# KiCad board Leonhart.kicad_pcb (continued)
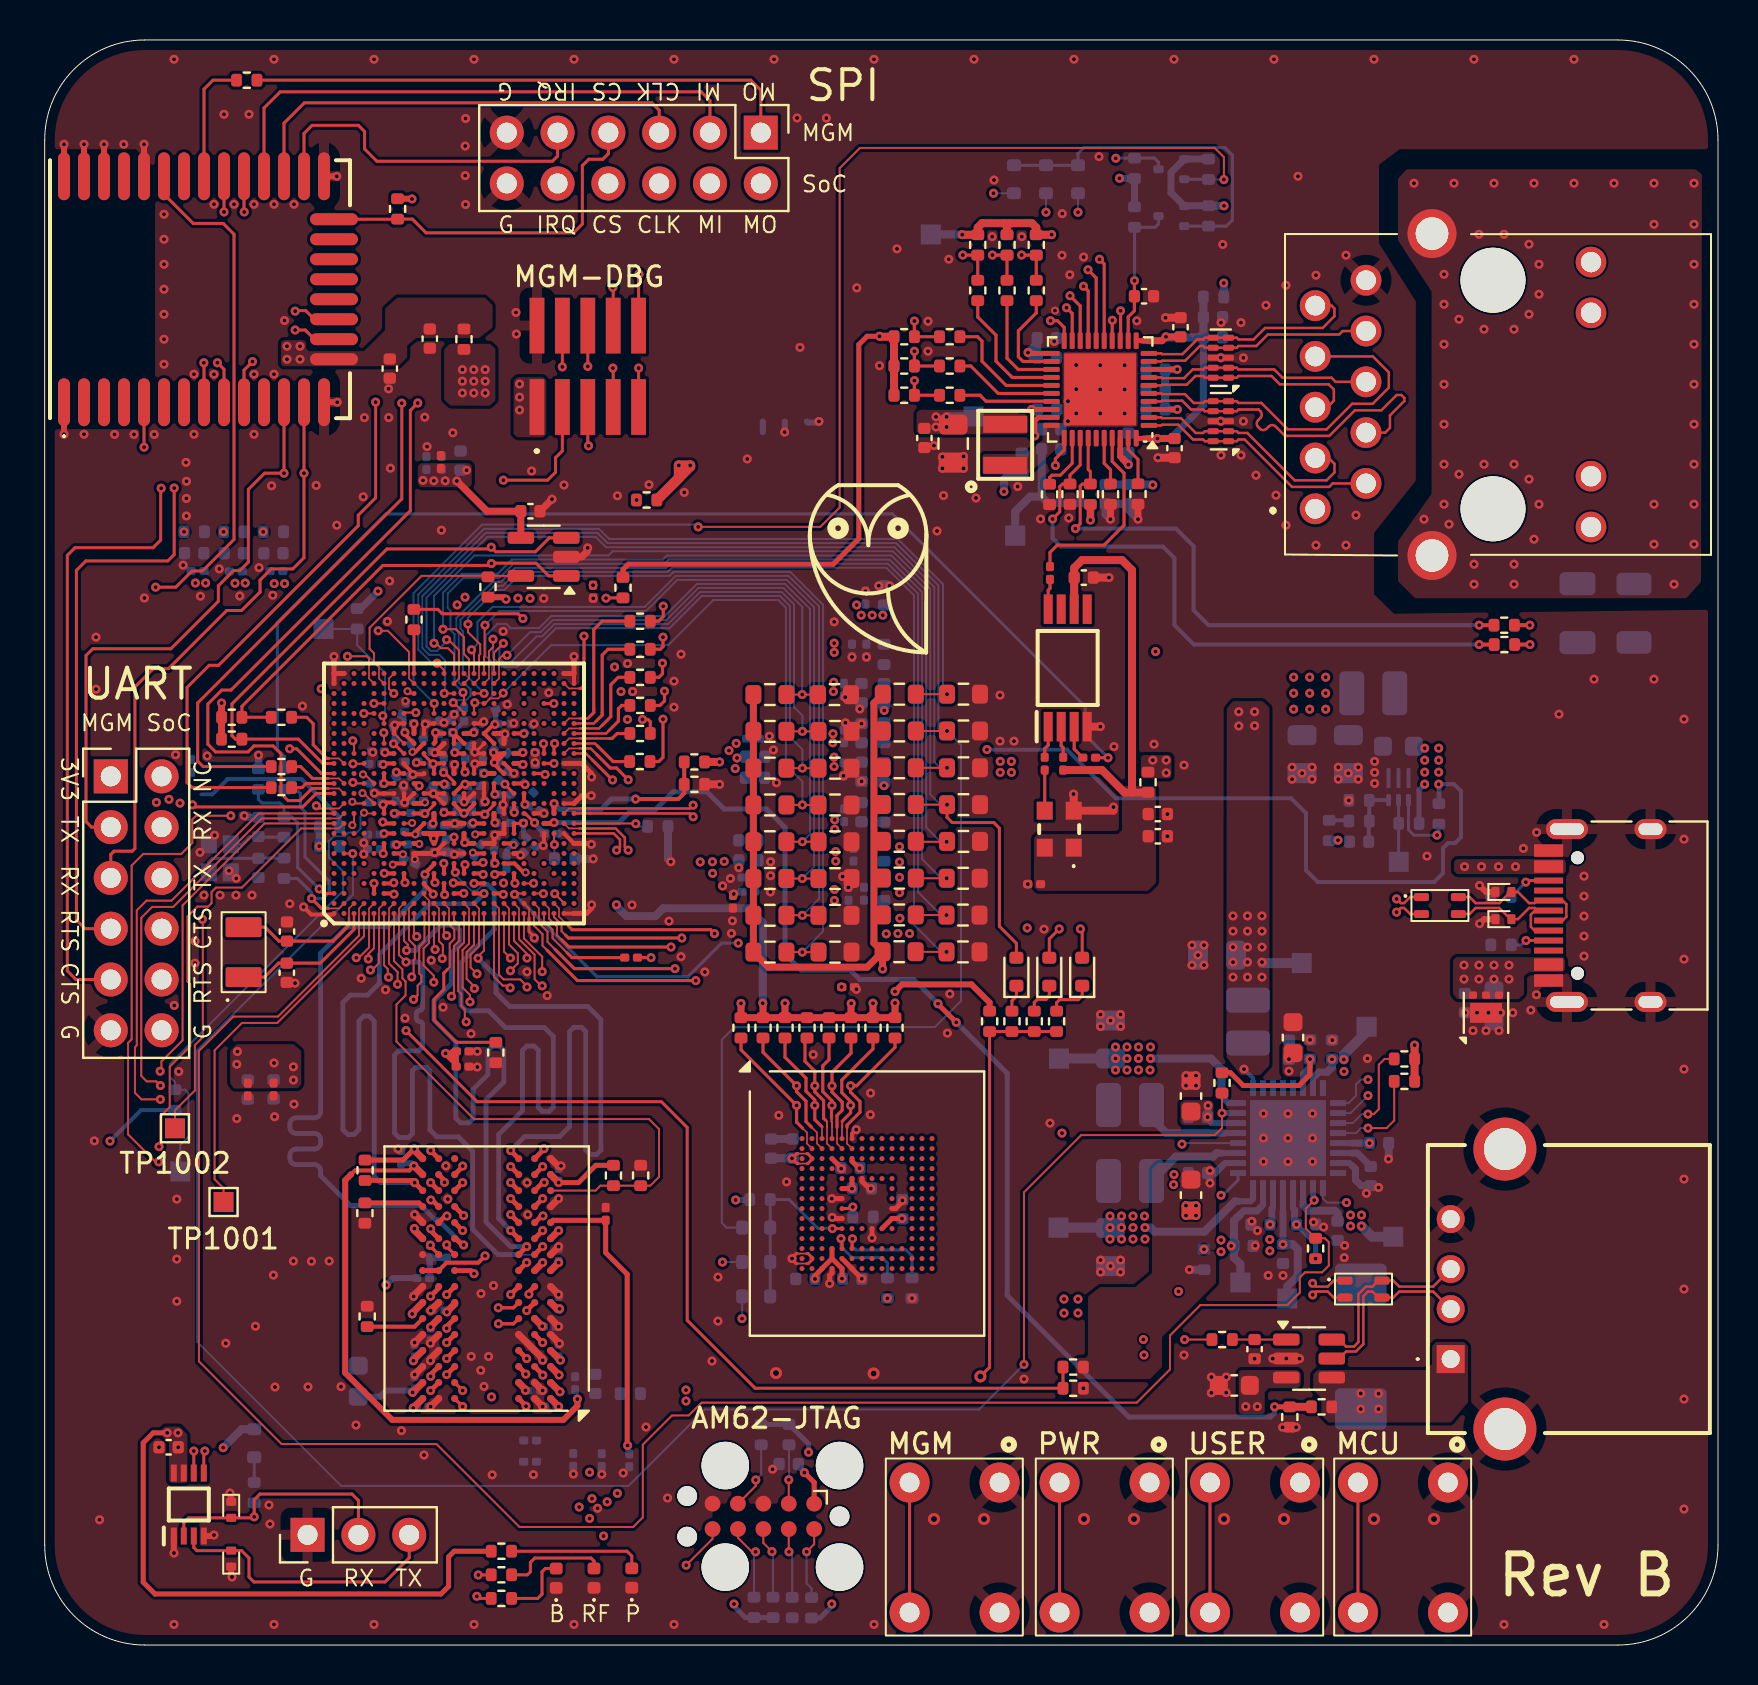
[diagram p0: board, top side]
## Routing (per net, layer and track width the routed paths; a pad name or vN(x,y) marks a point on that pad's centre or on a via; arc(x,y) is an arc through that point) (continued)
/Memory [4]/DDR_CLK_R: length 1.9
  Bottom w0.3: R4001.1 R4002.1 19.25,18.37 C4004.2
/Memory [4]/DDR_CLKN: length 33.9
  Top w0.081: 19.71,36.39 19.71,36.84 U1002.L2
  Top w0.1: 19.71,36.39 19.71,35.2 19.9,35.01 19.9,34.36 v1(19.87,34.33)
  Top w0.167: U4001.K8 19.28,19.94 v1(19.28,19.99)
  In5.Cu w0.129: v1(19.87,34.33) 20.08,34.53 20.31,34.53 20.44,34.4 20.44,33.5 18.73,31.79 18.73,30.22 18.55,30.05 16.01,30.05 15.66,29.7 15.66,29.24 arc(15.81,28.87) 16.18,28.72 16.8,28.72 arc(17,28.64) 17.08,28.44 17.08,28.24 arc(17,28.05) 16.8,27.96 16.18,27.96 arc(15.81,27.81) 15.66,27.44 15.66,27.24 arc(15.81,26.87) 16.18,26.72 16.8,26.72 arc(17,26.64) 17.08,26.44 17.08,26.24 arc(17,26.05) 16.8,25.96 16.18,25.96 arc(15.81,25.81) 15.66,25.44 15.66,25.24 arc(15.81,24.87) 16.18,24.72 16.75,24.72 arc(16.95,24.64) 17.03,24.44 17.03,24.24 arc(16.95,24.05) 16.75,23.96 16.18,23.96 arc(15.81,23.81) 15.66,23.44 15.66,23.24 arc(15.81,22.87) 16.18,22.72 16.8,22.72 arc(17,22.64) 17.08,22.44 17.08,22.24 arc(17,22.05) 16.8,21.96 16.18,21.96 arc(15.81,21.81) 15.66,21.44 15.66,20.73 16.26,20.12 18.03,20.12 18.11,20.04 18.54,20.04 18.62,20.12 19.1,20.12 19.23,19.99 v1(19.28,19.99)
/Memory [4]/DDR_CLKP: length 33.9
  Top w0.1: U1002.L1 19.46,34.83 v1(19.52,34.78)
  Top w0.167: v1(20.1,20.01) 20.1,19.92 U4001.K7
  In5.Cu w0.129: v1(19.52,34.78) 20.41,34.78 20.69,34.51 20.69,33.39 18.98,31.68 18.98,30.12 18.66,29.8 16.11,29.8 15.91,29.6 15.91,29.24 arc(15.99,29.05) 16.18,28.96 16.8,28.96 arc(17.17,28.81) 17.33,28.44 17.33,28.24 arc(17.17,27.87) 16.8,27.72 16.18,27.72 arc(15.99,27.64) 15.91,27.44 15.91,27.24 arc(15.99,27.05) 16.18,26.96 16.8,26.96 arc(17.17,26.81) 17.33,26.44 17.33,26.24 arc(17.17,25.87) 16.8,25.72 16.18,25.72 arc(15.99,25.64) 15.91,25.44 15.91,25.24 arc(15.99,25.05) 16.18,24.96 16.75,24.96 arc(17.12,24.81) 17.28,24.44 17.28,24.24 arc(17.12,23.87) 16.75,23.72 16.18,23.72 arc(15.99,23.64) 15.91,23.44 15.91,23.24 arc(15.99,23.05) 16.18,22.96 16.8,22.96 arc(17.17,22.81) 17.33,22.44 17.33,22.24 arc(17.17,21.87) 16.8,21.72 16.18,21.72 arc(15.99,21.64) 15.91,21.44 15.91,20.83 16.34,20.4 19.63,20.4 20.01,20.01 v1(20.1,20.01)
/Memory [4]/DDR_CSn: length 33.4
  Top w0.2: U1002.L6 19.46,39.05 19.33,38.91 19.33,38.91 19.14,38.72 19.14,38.72 18.99,38.58 18.99,38.56 v1(19.01,38.54)
  Top w0.24: v1(20.94,20.01) 20.86,20.01 20.54,20.33 U4001.L7
  Bottom w0.24: v1(20.94,20.01) 20.92,20.01 19.66,21.27 19.52,21.27 18.81,21.97 15.29,21.97 13.8,23.47 13.8,23.71 arc(13.71,23.93) 13.48,24.03 12.57,24.03 arc(12.35,24.12) 12.26,24.34 12.26,24.49 arc(12.35,24.71) 12.57,24.81 13.48,24.81 arc(13.71,24.9) 13.8,25.12 13.8,25.27 arc(13.71,25.49) 13.48,25.59 12.57,25.59 arc(12.35,25.68) 12.26,25.9 12.26,26.05 arc(12.35,26.27) 12.57,26.37 13.48,26.37 arc(13.71,26.46) 13.8,26.68 13.8,34.6 15.11,35.91 17.16,35.91 19.01,37.76 v1(19.01,38.54)
/Memory [4]/DDR_DQ0: length 47
  Top w0.2: v1(17.45,38.12) 17.42,38.09 U1002.F4
  Top w0.24: U4001.G2 v1(24.1,16.73)
  In5.Cu w0.152: v1(17.45,38.12) 16.85,37.51 16.85,36.7 16.09,35.95 14.09,35.95 13.38,35.23 11.19,35.23 9.71,33.76 9.71,32.74 9.19,32.22 9.19,19.39 12.12,16.46 16.88,16.46 18.29,17.88 19.46,17.88 19.69,17.65 19.69,17.36 19.99,17.06 20.39,17.06 20.52,16.94 20.52,16.63 21.49,15.66 22.86,15.66 23.12,15.93 23.12,17.12 22.84,17.41 22.84,17.73 23.14,18.02 23.5,18.02 23.8,17.72 23.8,17.02 v1(24.1,16.73)
/Memory [4]/DDR_DQ1: length 47
  Top w0.2: U1002.H6 17.46,39.09 v2(17.41,39.03)
  Top w0.24: U4001.F7 20.12,15.95 20.12,15.86 v1(20.1,15.84)
  In5.Cu w0.152: v1(20.1,15.84) 19.75,15.49 18.91,15.49 18.84,15.56 18.23,15.56 16.63,13.97 11.8,13.97 9.94,15.82 arc(9.9,15.93) 9.94,16.05 10.07,16.17 arc(10.12,16.29) 10.07,16.4 10.02,16.46 arc(9.9,16.5) 9.79,16.46 9.66,16.33 arc(9.55,16.28) 9.43,16.33 9.38,16.38 arc(9.33,16.5) 9.38,16.61 9.51,16.74 arc(9.55,16.85) 9.51,16.97 9.45,17.02 arc(9.34,17.07) 9.22,17.02 9.09,16.89 arc(8.98,16.85) 8.87,16.89 8.81,16.95 arc(8.76,17.06) 8.81,17.18 8.94,17.31 arc(8.99,17.42) 8.94,17.53 8.88,17.59 arc(8.77,17.64) 8.66,17.59 8.53,17.46 arc(8.42,17.41) 8.3,17.46 8.25,17.52 arc(8.2,17.63) 8.25,17.74 8.38,17.87 arc(8.42,17.99) 8.38,18.1 8.32,18.15 arc(8.21,18.2) 8.09,18.15 7.96,18.02 arc(7.85,17.98) 7.74,18.02 7.64,18.12 7.64,32.88 8.38,33.62 8.38,34.96 9.95,36.52 10.61,36.52 11.56,37.47 12.54,37.47 13.6,38.54 16.28,38.54 16.77,39.02 17.16,39.02 17.17,39.03 v2(17.41,39.03)
/Memory [4]/DDR_DQ2: length 47
  Top w0.2: U1002.E3 v1(16.46,38.09)
  Top w0.24: U4001.H3 v1(23.3,17.53)
  In5.Cu w0.152: v1(23.3,17.53) 23.39,17.43 23.39,15.84 22.67,15.12 21.43,15.12 20.3,16.25 19.94,16.25 19.88,16.31 18.86,16.31 18.67,16.12 18.04,16.12 16.36,14.43 12.16,14.43 11.11,15.49 11.11,16.08 8.13,19.05 8.13,32.65 8.8,33.32 8.8,34.59 10.21,36 10.73,36 11.19,36.45 11.73,36.45 arc(11.8,36.48) 11.83,36.55 arc(11.86,36.62) 11.92,36.65 12.13,36.65 arc(12.2,36.62) 12.23,36.55 arc(12.26,36.48) 12.32,36.45 13.17,36.45 14.81,38.09 v1(16.46,38.09)
/Memory [4]/DDR_DQ3: length 47
  Top w0.2: U1002.F3 17.43,37.59 v1(17.46,37.55)
  Top w0.24: U4001.H7 v1(20.1,17.53)
  In5.Cu w0.152: v1(20.1,17.53) 20.1,17.79 19.74,18.15 17.81,18.15 16.61,16.95 12.48,16.95 12.31,17.12 12.31,17.31 12.43,17.43 16.36,17.43 16.5,17.57 16.5,17.78 16.36,17.92 11.45,17.92 9.72,19.64 9.72,25.77 10.11,26.16 10.11,26.84 arc(10.07,26.95) 9.95,27 9.83,27 arc(9.72,27.05) 9.67,27.16 9.67,27.24 arc(9.72,27.35) 9.83,27.4 9.95,27.4 arc(10.07,27.45) 10.11,27.56 10.11,27.64 arc(10.07,27.75) 9.95,27.8 9.83,27.8 arc(9.72,27.85) 9.67,27.96 9.67,28.04 arc(9.72,28.15) 9.83,28.2 9.95,28.2 arc(10.07,28.25) 10.11,28.36 10.11,33.47 11.33,34.69 13.62,34.69 14.29,35.36 16.47,35.36 17.46,36.34 v1(17.46,37.55)
/Memory [4]/DDR_DQ4: length 47
  Top w0.1: v1(17.19,33.4) 17.15,33.44 17.15,33.81 16.96,34 U1002.F1
  Top w0.24: v1(24.21,17.54) 24.21,17.64 U4001.H2
  In5.Cu w0.152: v1(24.21,17.54) 24.21,18.35 24.03,18.53 22.38,18.53 21.86,19.04 21.1,19.04 20.83,19.31 15.37,19.31 13.54,21.13 13.17,21.13 12.98,21.32 12.98,21.62 arc(13.03,21.73) 13.14,21.78 14.16,21.78 arc(14.27,21.83) 14.32,21.94 14.32,22.02 arc(14.27,22.13) 14.16,22.18 13.14,22.18 arc(13.03,22.23) 12.98,22.34 12.98,22.42 arc(13.03,22.53) 13.14,22.58 14.16,22.58 arc(14.27,22.63) 14.32,22.74 14.32,22.82 arc(14.27,22.93) 14.16,22.98 13.14,22.98 arc(13.03,23.03) 12.98,23.14 12.98,23.22 arc(13.03,23.33) 13.14,23.38 14.16,23.38 arc(14.27,23.43) 14.32,23.54 14.32,23.62 arc(14.27,23.73) 14.16,23.78 13.14,23.78 arc(13.03,23.83) 12.98,23.94 12.98,24.02 arc(13.03,24.13) 13.14,24.18 14.16,24.18 arc(14.27,24.23) 14.32,24.34 14.32,24.42 arc(14.27,24.53) 14.16,24.58 13.14,24.58 arc(13.03,24.63) 12.98,24.74 12.98,24.89 13.46,25.37 13.46,28.2 14,28.74 14,30.87 14.38,31.25 16.76,31.25 16.91,31.4 16.91,31.7 16.86,31.75 14.26,31.75 14.16,31.85 14.16,32.1 14.31,32.25 16.36,32.25 16.64,32.52 16.64,33.17 16.63,33.17 16.85,33.4 v1(17.19,33.4)
/Memory [4]/DDR_DQ5: length 47
  Top w0.2: v1(16.97,38.59) 16.98,38.59 U1002.G5
  Top w0.24: U4001.H8 19.7,17.85 v1(19.29,17.44)
  In5.Cu w0.152: v1(16.97,38.59) 16.97,38.03 16.57,37.62 15.06,37.62 13.27,35.84 11.16,35.84 10.63,35.31 10.24,35.31 9.25,34.32 9.25,33.04 8.66,32.45 8.66,19.28 11.64,16.31 11.64,15.72 12.46,14.89 15.82,14.89 15.95,15.02 15.95,15.29 15.82,15.42 12.8,15.42 12.66,15.56 12.66,15.83 12.79,15.96 17.18,15.96 18.25,17.03 18.97,17.03 19.29,17.35 v1(19.29,17.44)
/Memory [4]/DDR_DQ6: length 47
  Top w0.081: 17.21,36.4 17.21,36.84 U1002.G2
  Top w0.1: v1(17.64,33.05) 17.64,33.66 17.21,34.09 17.21,36.4
  Top w0.24: U4001.J3 v1(24.1,19.12)
  In5.Cu w0.152: v1(24.1,19.12) 24,19.03 23.55,19.03 arc(23.44,19.08) 23.39,19.19 23.39,19.21 arc(23.34,19.32) 23.23,19.37 23.15,19.37 arc(23.04,19.32) 22.99,19.21 22.99,19.19 arc(22.94,19.08) 22.83,19.03 22.67,19.03 22.5,19.2 22.5,19.63 22.24,19.89 21.92,19.89 21.76,20.05 21.76,24.18 21.64,24.3 21.46,24.3 21.35,24.18 21.35,22.65 arc(21.31,22.55) 21.22,22.52 arc(21.13,22.48) 21.09,22.39 21.09,22.25 arc(21.13,22.15) 21.22,22.12 arc(21.31,22.08) 21.35,21.99 21.35,19.84 21.34,19.84 21.34,19.81 21.12,19.59 15.98,19.59 14.89,20.67 14.89,24.83 14.58,25.14 14.13,25.14 13.98,25.29 13.98,28 14.11,28.13 14.34,28.13 14.44,28.03 14.44,25.75 14.61,25.58 14.84,25.58 14.94,25.68 14.94,28.89 arc(14.9,29) 14.78,29.05 14.66,29.05 arc(14.55,29.09) 14.5,29.21 14.5,29.29 arc(14.55,29.4) 14.66,29.45 14.78,29.45 arc(14.9,29.49) 14.94,29.61 14.94,29.69 arc(14.9,29.8) 14.78,29.85 14.66,29.85 arc(14.55,29.89) 14.5,30.01 14.5,30.09 arc(14.55,30.2) 14.66,30.25 14.78,30.25 arc(14.9,30.29) 14.94,30.41 14.94,30.65 15.05,30.76 17.21,30.76 17.4,30.95 17.4,31.55 17.64,31.8 v1(17.64,33.05)
/Memory [4]/DDR_DQ7: length 47
  Top w0.081: U1002.F2 16.71,36.84 16.71,36.4
  Top w0.1: v1(16.28,33.76) 16.37,33.76 16.71,34.1 16.71,36.4
  Top w0.24: U4001.J7 21.31,18.73 v1(21.47,18.57)
  In5.Cu w0.152: v1(16.28,33.76) 16.28,33.17 15.91,32.8 14.07,32.8 13.51,32.25 13.51,29.16 13.01,28.66 13.01,25.9 12.49,25.38 12.49,20.84 12.68,20.65 13.37,20.65 13.53,20.5 13.53,20.31 13.36,20.15 12.36,20.15 12.03,20.48 12.03,25.62 12.61,26.2 12.61,26.37 12.43,26.55 12.26,26.55 11.56,25.86 11.56,20.3 12.21,19.65 14.4,19.65 15.04,19.02 20.52,19.02 20.96,18.57 v1(21.47,18.57)
/Memory [4]/DDR_DQ8: length 50.5
  Top w0.1: v1(23.27,32.87) 23.16,32.98 22.9,32.98 22.46,33.41 U1002.U1
  Top w0.24: U4001.A3 24.06,11.96 v1(24.06,11.94)
  In5.Cu w0.152: v1(24.06,11.94) 24.06,11.5 23.96,11.4 23.7,11.4 23.58,11.52 23.58,13.26 23.41,13.43 23.41,14.63 24.31,15.53 25.03,15.53 25.28,15.77 25.28,16.09 25.52,16.33 26,16.33 26.18,16.51 26.18,17.7 27.07,18.59 27.07,21.6 27.27,21.8 27.8,21.8 28.04,22.04 28.04,28.84 27.9,28.98 27.69,28.98 27.55,28.84 27.55,22.42 27.42,22.29 27.2,22.29 27.07,22.42 27.07,29.66 26.28,30.45 25.26,30.45 24.09,31.62 23.81,31.62 23.71,31.52 23.71,30.84 23.82,30.73 24.34,30.73 24.45,30.62 24.45,30.4 24.33,30.28 23.58,30.28 23.27,30.59 v1(23.27,32.87)
/Memory [4]/DDR_DQ9: length 50.5
  Top w0.2: v1(22.93,37.54) 22.93,37.58 U1002.U3
  Top w0.24: U4001.B8 v1(19.3,12.72)
  In5.Cu w0.152: v1(22.93,37.54) 22.93,37.53 23.34,37.12 25.94,37.12 32.69,30.37 32.69,14.84 27.58,9.73 27.45,9.73 arc(27.36,9.77) 27.32,9.87 arc(27.28,9.96) 27.18,10 27.05,10 arc(26.96,9.96) 26.92,9.87 arc(26.88,9.77) 26.78,9.73 26.65,9.73 arc(26.56,9.77) 26.52,9.87 arc(26.48,9.96) 26.38,10 26.25,10 arc(26.16,9.96) 26.12,9.87 arc(26.08,9.77) 25.98,9.73 25.85,9.73 arc(25.76,9.77) 25.72,9.87 arc(25.68,9.96) 25.58,10 25.45,10 arc(25.36,9.96) 25.32,9.87 arc(25.28,9.77) 25.18,9.73 25.05,9.73 arc(24.96,9.77) 24.92,9.87 arc(24.88,9.96) 24.78,10 24.65,10 arc(24.56,9.96) 24.52,9.87 arc(24.48,9.77) 24.38,9.73 24.25,9.73 arc(24.16,9.77) 24.12,9.87 arc(24.08,9.96) 23.98,10 23.85,10 arc(23.76,9.96) 23.72,9.87 arc(23.68,9.77) 23.58,9.73 23.45,9.73 arc(23.36,9.77) 23.32,9.87 arc(23.28,9.96) 23.18,10 23.05,10 arc(22.96,9.96) 22.92,9.87 arc(22.88,9.77) 22.78,9.73 22.65,9.73 arc(22.56,9.77) 22.52,9.87 arc(22.48,9.96) 22.38,10 22.25,10 arc(22.16,9.96) 22.12,9.87 arc(22.08,9.77) 21.98,9.73 21.85,9.73 arc(21.76,9.77) 21.72,9.87 arc(21.68,9.96) 21.58,10 21.45,10 arc(21.36,9.96) 21.32,9.87 arc(21.28,9.77) 21.18,9.73 21.05,9.73 arc(20.96,9.77) 20.92,9.87 arc(20.88,9.96) 20.78,10 20.65,10 arc(20.56,9.96) 20.52,9.87 arc(20.48,9.77) 20.38,9.73 20.24,9.73 19.48,10.49 19.48,11.43 19.72,11.67 19.72,12.63 19.63,12.72 v1(19.3,12.72)
/Memory [4]/DDR_DQ10: length 50.5
  Top w0.081: 22.71,36.4 22.71,36.84 U1002.U2
  Top w0.1: v1(24.11,32.91) 24.11,32.95 23.77,33.29 22.94,33.29 22.71,33.52 22.71,36.4
  Top w0.24: U4001.C3 24.05,13.57 v1(24.05,13.55)
  In5.Cu w0.152: v1(24.05,13.55) 24.05,13.57 23.69,13.93 23.69,14.49 24.01,14.81 24.5,14.81 24.66,14.65 26.02,14.65 26.15,14.53 28.63,14.53 29.12,15.02 29.12,20.1 28.95,20.27 28.7,20.27 28.6,20.17 28.6,15.38 28.48,15.26 28.25,15.26 28.11,15.39 28.11,20.74 28.25,20.88 28.85,20.88 29.11,21.14 29.11,29.06 27.2,30.97 27.2,31.15 27.35,31.3 27.52,31.3 28.87,29.95 29.04,29.95 29.19,30.1 29.19,30.28 27.63,31.84 27.17,31.84 26.89,31.56 25.45,31.56 24.11,32.9 v1(24.11,32.91)
/Memory [4]/DDR_DQ11: length 50.5
  Top w0.2: v1(22.5,38.54) 22.6,38.54 22.64,38.59 U1002.V5
  Top w0.24: U4001.C7 v1(20.1,13.53)
  In5.Cu w0.152: v1(20.1,13.53) 20.1,10.96 20.57,10.48 27.56,10.48 29.02,11.93 arc(29.06,12.04) 29.02,12.16 28.9,12.27 arc(28.85,12.39) 28.9,12.5 28.96,12.56 arc(29.07,12.6) 29.18,12.56 29.3,12.44 arc(29.41,12.39) 29.52,12.44 32.21,15.13 32.21,30.13 26.99,35.36 arc(26.87,35.4) 26.76,35.36 26.72,35.32 arc(26.61,35.28) 26.5,35.32 26.44,35.38 arc(26.4,35.49) 26.44,35.61 26.48,35.64 arc(26.52,35.75) 26.48,35.87 25.66,36.68 25.43,36.68 25.24,36.49 25.24,36.31 25.84,35.71 25.84,35.48 25.67,35.31 25.45,35.31 24.16,36.6 23.19,36.6 22.5,37.29 v1(22.5,38.54)
/Memory [4]/DDR_DQ12: length 50.5
  Top w0.081: 23.71,36.39 23.71,36.84 U1002.W2
  Top w0.1: v1(24.87,32.97) 24.82,32.97 24.49,33.3 24.49,34.52 23.71,35.3 23.71,36.39
  Top w0.24: v1(24.9,13.5) 24.9,13.5 24.9,13.52 U4001.C2
  In5.Cu w0.152: v1(24.9,13.5) 25.3,13.09 25.97,13.09 26.13,13.26 26.13,13.87 26.29,14.03 28.92,14.03 29.67,14.78 29.67,22.69 29.81,22.83 30.44,22.83 30.68,23.07 30.68,29.46 30.53,29.61 30.31,29.61 30.15,29.45 30.15,23.53 30.02,23.4 29.8,23.4 29.67,23.53 29.67,30.5 27.78,32.39 26.94,32.39 26.61,32.06 25.77,32.06 25.54,32.29 25.54,32.66 25.72,32.84 26.78,32.84 26.92,32.98 26.92,33.25 26.78,33.39 25.3,33.39 v1(24.87,32.97)
/Memory [4]/DDR_DQ13: length 50.5
  Top w0.2: U1002.V6 23.49,39.09 23.92,38.65 24.03,38.65 v2(24.04,38.64)
  Top w0.24: U4001.C8 19.3,13.53 v1(19.3,13.44)
  In5.Cu w0.152: v1(19.3,13.44) 19.3,13.44 18.89,13.03 18.89,10.38 20.02,9.25 27.79,9.25 33.15,14.61 33.15,30.59 25.11,38.63 24.05,38.63 v2(24.04,38.64)
/Memory [4]/DDR_DQ14: length 50.5
  Top w0.1: U1002.Y1 23.96,35.34 24.87,34.43 24.87,33.74 24.8,33.67 24.86,33.67 v1(24.87,33.68)
  Top w0.24: U4001.D3 v1(24.1,14.33)
  In5.Cu w0.152: v1(24.87,33.68) 24.92,33.68 25.13,33.89 27,33.89 31.16,29.73 31.16,22.57 30.94,22.35 30.32,22.35 30.19,22.22 30.19,16.71 30.33,16.57 30.59,16.57 30.72,16.7 30.72,21.72 30.82,21.82 31.07,21.82 31.23,21.66 31.23,16.41 30.96,16.14 30.36,16.14 30.17,15.95 30.17,14.57 29.14,13.54 26.75,13.54 26.61,13.4 26.61,12.88 26.19,12.46 26.19,11.74 25.97,11.52 24.73,11.52 24.47,11.78 24.47,13.95 v1(24.1,14.33)
/Memory [4]/DDR_DQ15: length 50.5
  Top w0.1: v1(24.11,34.36) 24.11,34.56 23.46,35.22 U1002.W1
  Top w0.24: U4001.D7 v1(20.1,14.33)
  In5.Cu w0.152: v1(24.11,34.36) 24.56,34.8 26.84,34.8 31.7,29.94 31.7,15.26 31.59,15.14 arc(31.47,15.1) 31.36,15.14 30.96,15.55 arc(30.84,15.59) 30.73,15.55 30.67,15.49 arc(30.63,15.38) 30.67,15.26 31.08,14.86 arc(31.12,14.75) 31.08,14.63 29.49,13.05 27.23,13.05 27.13,12.95 27.13,12.65 27.28,12.5 28.26,12.5 28.4,12.36 28.4,12.13 27.53,11.26 27.34,11.26 27.24,11.36 27.24,11.83 27.08,11.99 26.9,11.99 26.73,11.82 26.73,11.23 26.47,10.97 23.32,10.97 arc(23.21,11.02) 23.16,11.13 arc(23.12,11.24) 23.01,11.28 22.92,11.28 arc(22.81,11.24) 22.76,11.13 arc(22.72,11.02) 22.61,10.97 22.52,10.97 arc(22.41,11.02) 22.36,11.13 arc(22.32,11.24) 22.21,11.28 22.12,11.28 arc(22.01,11.24) 21.96,11.13 arc(21.92,11.02) 21.81,10.97 21.72,10.97 arc(21.61,11.02) 21.56,11.13 arc(21.52,11.24) 21.41,11.28 21.32,11.28 arc(21.21,11.24) 21.16,11.13 arc(21.12,11.02) 21.01,10.97 20.8,10.97 20.5,11.28 20.5,13.35 20.5,13.36 20.5,13.92 v1(20.1,14.33)
/Memory [4]/DDR_LDM: length 47
  Top w0.2: U1002.H5 17.96,38.18 v1(18.01,38.12)
  Top w0.24: U4001.E7 v1(20.1,15.12)
  In5.Cu w0.081: 16.57,39.23 16.59,39.22 17.08,39.22 17.23,39.37 17.56,39.37 18.01,38.92 v1(18.01,38.12)
  In5.Cu w0.152: v1(20.1,15.12) 19.66,14.68 18.21,14.68 16.98,13.45 11.58,13.45 7.13,17.91 7.13,33.13 7.95,33.96 7.95,35.29 9.65,36.98 10.46,36.98 12.51,39.04 16.18,39.04 16.38,39.23 16.57,39.23
/Memory [4]/DDR_LDQS_N: length 47
  Top w0.081: U1002.E2 16.21,36.84 16.21,36.37
  Top w0.1: v1(15.57,34.37) 15.7,34.37 16.21,34.88 16.21,36.37
  Top w0.167: v1(22.69,16.06) 23.44,16.06 U4001.F3
  In5.Cu w0.129: v1(22.69,16.06) 22.69,16.07 21.61,16.07 21.07,16.61 21.07,17.49 20.11,18.45 12.07,18.45 10.33,20.19 10.33,21.16 10.72,21.55 10.72,22.07 10.32,22.47 10.32,23.37 10.72,23.77 10.72,24.48 10.33,24.87 10.33,25.54 10.77,25.98 10.77,26.85 arc(10.92,27.22) 11.29,27.38 11.51,27.38 arc(11.71,27.46) 11.79,27.65 11.79,27.85 arc(11.71,28.05) 11.51,28.13 11.29,28.13 arc(10.92,28.28) 10.77,28.65 10.77,33.28 11.14,33.66 11.66,33.66 12.03,33.28 12.03,29.74 12.21,29.57 12.5,29.57 12.69,29.76 12.69,32.68 13.04,33.02 13.04,33.46 13.48,33.9 15.42,33.9 15.57,34.06 v1(15.57,34.37)
/Memory [4]/DDR_LDQS_P: length 47
  Top w0.1: v1(16.18,34.31) 16.18,34.56 16.46,34.84 U1002.E1
  Top w0.167: v1(22.68,16.87) 23.44,16.87 U4001.G3
  In5.Cu w0.129: v1(16.18,34.31) 15.52,33.65 13.58,33.65 13.29,33.36 13.29,32.92 12.94,32.57 12.94,29.66 12.6,29.32 12.1,29.32 11.79,29.64 11.79,33.18 11.55,33.41 11.24,33.41 11.01,33.18 11.01,28.65 arc(11.1,28.46) 11.29,28.38 11.51,28.38 arc(11.89,28.22) 12.04,27.85 12.04,27.65 arc(11.89,27.28) 11.51,27.13 11.29,27.13 arc(11.1,27.05) 11.01,26.85 11.01,25.87 10.57,25.43 10.57,24.97 10.96,24.58 10.96,23.66 10.56,23.26 10.56,22.58 10.96,22.18 10.96,21.44 10.57,21.05 10.57,20.29 12.17,18.7 20.22,18.7 21.32,17.59 21.32,16.71 21.74,16.3 22.04,16.3 22.22,16.49 22.22,17.14 22.32,17.23 22.58,17.23 22.68,17.14 v1(22.68,16.87)
/Memory [4]/DDR_ODT: length 33.4
  Top w0.1: v1(18.09,34.73) 18.15,34.79 18.15,35.03 17.96,35.22 U1002.H1
  Top w0.24: U4001.K3 v1(24.1,19.93)
  Bottom w0.24: v1(18.09,34.73) 18.54,34.73 19.79,35.99 20.49,35.99 20.75,35.73 20.75,35.04 20.32,34.61 20.32,33.06 19.46,32.2 19.46,31.24 20.56,30.15 20.56,26.34 20.79,26.11 21.21,26.11 21.42,26.32 21.42,27.79 22.16,28.53 22.16,29.73 22.38,29.95 22.75,29.95 22.96,29.74 22.96,28.16 22.06,27.27 22.06,21.16 23.3,19.93 v1(24.1,19.93)
/Memory [4]/DDR_PARITY: length 33.4
  Top w0.1: U1002.T1 21.96,34.73 21.66,34.43 21.66,34.35 v1(21.67,34.34)
  Top w0.24: U4001.T3 v1(23.3,24.73)
  Bottom w0.24: v1(23.3,24.73) 24,25.42 25.75,25.42 26.24,25.92 26.24,30.67 26.46,30.89 26.84,30.89 27.05,30.68 27.05,24.76 27.28,24.53 27.6,24.53 27.81,24.74 27.81,31.28 27.16,31.93 23.26,31.93 22.57,32.62 22.57,33.45 v1(21.67,34.34)
/Memory [4]/DDR_RESET#: length 29.9
  Top w0.1: U4001.P1 27.54,22.73 27.78,22.97 R4003.2 R4004.1 30.27,22.97 30.71,23.41 30.71,25.8 30.21,26.3 21.46,26.3 17.58,30.18 17.58,32.03 18.04,32.49 18.04,33.18 18.02,33.2 18.02,33.2 17.88,33.34 17.88,33.79 17.46,34.2 U1002.G1
/Memory [4]/DDR_TEN: length 3
  Top w0.24: R4008.1 18.71,22.11 U4001.N9
/Memory [4]/DDR_UDM: length 50.5
  Top w0.2: U1002.W5 23.46,38.14 v1(23.51,38.1)
  Top w0.24: U4001.E2 v1(24.9,15.12)
  In5.Cu w0.081: 21.47,37.57 21.11,37.94 21.11,38.24 21.37,38.5 21.37,39.09 21.77,39.49 22.62,39.49 23.51,38.6 v1(23.51,38.1)
  In5.Cu w0.152: v1(24.9,15.12) 25.21,15.12 25.55,15.46 25.56,15.46 25.57,15.48 25.9,15.48 26.34,15.04 27.37,15.04 27.57,15.24 27.57,15.53 arc(27.53,15.64) 27.41,15.69 26.93,15.69 arc(26.82,15.73) 26.77,15.85 26.77,15.93 arc(26.82,16.04) 26.93,16.09 27.41,16.09 arc(27.53,16.13) 27.57,16.25 27.57,16.33 arc(27.53,16.44) 27.41,16.49 26.93,16.49 arc(26.82,16.53) 26.77,16.65 26.77,16.73 arc(26.82,16.84) 26.93,16.89 27.41,16.89 arc(27.53,16.93) 27.57,17.05 27.57,17.13 arc(27.53,17.24) 27.41,17.29 26.93,17.29 arc(26.82,17.33) 26.77,17.45 26.77,17.53 arc(26.82,17.64) 26.93,17.69 27.41,17.69 arc(27.53,17.73) 27.57,17.85 27.57,21.2 27.71,21.34 28.32,21.34 28.56,21.58 28.56,28.9 26.46,31 25.36,31 23.69,32.68 23.69,34.54 23.89,34.74 23.89,34.98 23.8,35.07 22.1,35.07 21.92,35.24 21.92,35.49 22.01,35.58 24.06,35.58 24.19,35.71 24.19,35.92 24.05,36.06 22.55,36.06 arc(22.44,36.11) 22.39,36.22 22.39,36.71 arc(22.35,36.82) 22.23,36.87 22.15,36.87 arc(22.04,36.82) 21.99,36.71 21.99,36.22 arc(21.95,36.11) 21.83,36.06 19.67,36.06 19.55,36.18 19.55,36.43 19.67,36.55 21.38,36.55 21.47,36.64 21.47,37.57
/Memory [4]/DDR_UDQS_N: length 50.5
  Top w0.081: U1002.V2 23.21,36.84 23.21,36.39
  Top w0.1: v1(23.28,33.72) 23.65,34.09 23.65,34.59 23.21,35.04 23.21,36.39
  Top w0.167: v1(20.9,11.93) U4001.A7
  In5.Cu w0.129: v1(23.28,33.72) 23.09,33.91 22.86,33.91 22.63,33.68 22.63,25.57 22.77,25.43 23.12,25.43 23.34,25.65 23.34,29.52 23.65,29.83 24.25,29.83 24.53,29.55 24.53,25.63 24.7,25.46 25.01,25.46 25.2,25.65 25.2,29.36 25.5,29.66 26.17,29.66 26.45,29.37 26.45,18.85 25.04,17.44 25.04,16.69 22.99,14.64 22.99,12 22.71,11.72 21.56,11.72 21.35,11.93 v1(20.9,11.93)
/Memory [4]/DDR_UDQS_P: length 50.5
  Top w0.1: v1(23.28,34.36) 22.96,34.68 U1002.V1
  Top w0.167: v1(20.9,12.72) U4001.B7
  In5.Cu w0.129: v1(23.28,34.36) 23.09,34.16 22.76,34.16 22.38,33.78 22.38,25.47 22.66,25.19 23.22,25.19 23.59,25.55 23.59,29.41 23.75,29.58 24.15,29.58 24.28,29.45 24.28,25.53 24.6,25.21 25.11,25.21 25.45,25.54 25.45,29.25 25.61,29.41 26.06,29.41 26.2,29.27 26.2,18.96 24.79,17.54 24.79,16.79 22.74,14.75 22.74,12.1 22.61,11.96 21.66,11.96 21.56,12.06 21.56,13.07 21.41,13.22 21.04,13.22 20.9,13.08 v1(20.9,12.72)
/Memory [4]/DDR_ZQ: length 2.9
  Top w0.2: U4001.F9 18.49,15.92 R4006.1
/Power Circuitry [3]/CAP_VDDS0: length 0.4
  Top w0.2: v1(17.58,43.65) 17.64,43.59 U1002.H15
/Power Circuitry [3]/CAP_VDDS1: length 1.2
  Top w0.203: U1002.K18 18.95,45.09 18.54,44.68 18.4,44.68 v2(18.39,44.66)
  Bottom w0.254: v2(18.39,44.66) 18.39,45.02 C3024.1
/Power Circuitry [3]/CAP_VDDS2: length 0.5
  Top w0.25: v1(23.91,44.63) 23.92,44.62 23.92,44.61 23.9,44.59 U1002.W17
/Power Circuitry [3]/CAP_VDDS3: length 0.5
  Top w0.25: U1002.P19 21.41,45.59 v1(21.46,45.63)
/Power Circuitry [3]/CAP_VDDS4: length 0.5
  Top w0.2: U1002.U7 22.46,39.14 v1(22.51,39.09)
/Power Circuitry [3]/CAP_VDDS5: length 0.8
  Top w0.15: U1002.H17 17.95,44.59 17.44,45.09 v1(17.44,45.07)
/Power Circuitry [3]/CAP_VDDS6: length 0.5
  Top w0.25: v1(18.46,46.06) U1002.J19
/Power Circuitry [3]/CAP_VDDS_CANUART: length 0.5
  Top w0.2: v1(16.96,40.58) 16.96,40.55 16.96,40.55 17,40.55 17.04,40.59 U1002.G9
/Power Circuitry [3]/CAP_VDDS_MCU: length 0.5
  Top w0.2: v1(17.47,41.59) 17.48,41.59 U1002.H11
/Power Circuitry [3]/PMIC_B2_O: length 5.3
  Bottom w0.3: U3001.29 59.04,25.6
  Bottom w0.35: 59.04,25.6 58.16,25.6
  Bottom w0.4: 58.16,25.6 56.09,25.6 55.34,26.35 L3002.1
/Power Circuitry [3]/PMIC_B3_O: length 5
  Bottom w0.3: U3001.27 58.86,24.6
  Bottom w0.35: L3003.1 55.29,23.21 ; 58.86,24.6 58.59,24.6
  Bottom w0.4: 58.59,24.6 58.41,24.43 56.56,24.43 L3003.1
/USB and MMC [6]/EMMC_CLK: length 34.7
  Top w0.157: R6001.2 v1(30.31,34.38) ; U6002.M6 40.36,20.3 v1(40.38,20.31)
  In2.Cu w0.099: v1(30.31,34.38) 30.1,34.17 30.1,24.69 33.64,21.15 33.64,20.23 34.12,19.75 34.73,19.75 arc(34.85,19.8) 34.89,19.91 34.89,20.45 arc(34.94,20.56) 35.05,20.61 35.13,20.61 arc(35.25,20.56) 35.29,20.45 35.29,19.91 arc(35.34,19.8) 35.45,19.75 35.53,19.75 arc(35.65,19.8) 35.69,19.91 35.69,20.45 arc(35.74,20.56) 35.85,20.61 35.93,20.61 arc(36.05,20.56) 36.09,20.45 36.09,19.91 arc(36.14,19.8) 36.25,19.75 36.33,19.75 arc(36.45,19.8) 36.49,19.91 36.49,20.45 arc(36.54,20.56) 36.65,20.61 36.73,20.61 arc(36.85,20.56) 36.89,20.45 36.89,19.91 arc(36.94,19.8) 37.05,19.75 37.13,19.75 arc(37.25,19.8) 37.29,19.91 37.29,20.45 arc(37.34,20.56) 37.45,20.61 37.53,20.61 arc(37.65,20.56) 37.69,20.45 37.69,19.91 arc(37.74,19.8) 37.85,19.75 40.21,19.75 40.38,19.93 v1(40.38,20.31)
  Bottom w0.15: v1(40.38,20.31) 40.38,19.92 40.54,19.76 43.06,19.76 43.36,19.46 R6019.2
/USB and MMC [6]/EMMC_CMD: length 37.9
  Top w0.1: v1(23.49,37.54) 23.54,37.59 U1002.Y3
  Top w0.157: v1(39.81,20.33) 39.86,20.28 U6002.M5
  In2.Cu w0.099: v1(34.68,35.1) 36.01,35.1 40.76,30.35 40.76,26.68 39.96,25.87 39.96,24.85 39.73,24.61 39.18,24.61 38.92,24.35 38.92,23.29 39.81,22.4 v1(39.81,20.33)
  Bottom w0.15: R6012.2 42.13,19.11 41.87,19.37 40.37,19.37 39.81,19.93 v1(39.81,20.33)
  Bottom w0.157: v1(23.49,37.54) 27.62,33.42 32.17,33.42 33.85,35.1 v1(34.68,35.1)
/USB and MMC [6]/EMMC_D0: length 39.5
  Top w0.081: 24.71,36.38 24.71,36.84 U1002.AA2 ; U6002.A3 38.86,25.92
  Top w0.1: 24.71,36.38 24.71,36.1 25.14,35.68 25.14,35.17 25.52,34.78
  Top w0.157: 25.52,34.78 26.48,33.83 v1(31.51,33.83) ; 38.86,25.92 38.5,26.28 v1(38.5,26.98) 38.5,27.26 38.06,27.7 38.06,28.34 37.01,29.4 R6011.2
  In2.Cu w0.099: v1(31.51,33.83) 31.6,33.74 31.6,26.2 32.03,25.76 36.02,25.76 36.11,25.86 36.11,26.1 36.01,26.21 32.74,26.21 32.62,26.33 32.62,26.55 32.73,26.66 36.31,26.66 36.61,26.96 36.61,27.84 37.12,28.34 37.85,28.34 38,28.19 38,27.48 v1(38.5,26.98)
/USB and MMC [6]/EMMC_D1: length 39.2
  Top w0.081: U6002.A4 39.36,25.89
  Top w0.1: U1002.AA1 24.46,35.98 24.89,35.55 24.89,34.98 25.12,34.74
  Top w0.102: 39.36,25.89 39.36,26.15 39.34,26.18 39.34,26.35
  Top w0.157: 39.34,26.35 39.34,26.96 v1(39.36,26.98) 39.36,27.22 38.9,27.68 38.9,28.97 39.21,29.28 R6010.2 ; v1(32.55,33.23) 26.64,33.23 25.12,34.74
  In2.Cu w0.099: v1(39.36,26.98) 38.88,27.46 38.88,28.7 38.49,29.1 32.72,29.1 32.6,29.23 32.6,29.44 32.72,29.56 37.92,29.56 38.04,29.68 38.04,29.84 37.89,29.98 32.74,29.98 32.61,30.12 32.61,30.57 arc(32.63,30.64) 32.7,30.67 arc(32.77,30.7) 32.8,30.77 32.8,30.97 arc(32.77,31.04) 32.7,31.07 arc(32.63,31.1) 32.61,31.17 32.61,31.37 arc(32.63,31.44) 32.7,31.47 arc(32.77,31.5) 32.8,31.57 32.8,31.77 arc(32.77,31.84) 32.7,31.87 arc(32.63,31.9) 32.61,31.97 32.61,32.17 arc(32.63,32.24) 32.7,32.27 arc(32.77,32.3) 32.8,32.37 32.8,32.57 arc(32.77,32.64) 32.7,32.67 arc(32.63,32.7) 32.61,32.77 32.61,33.18 v1(32.55,33.23)